# Altium PCB S3220A.PcbDoc (part 1 of 3)
Units mm, origin at the board's own origin, x right, y up, seen from the top; angles counter-clockwise.
Board outline 117 x 100 mm, 4 copper layers (Top Layer, Internal 1, Internal 2, Bottom Layer), stack 1.41 mm thick; 238 components, 187 nets, 991 pads, 1814 vias.
Unrouted connection lines stored in the file: 236.
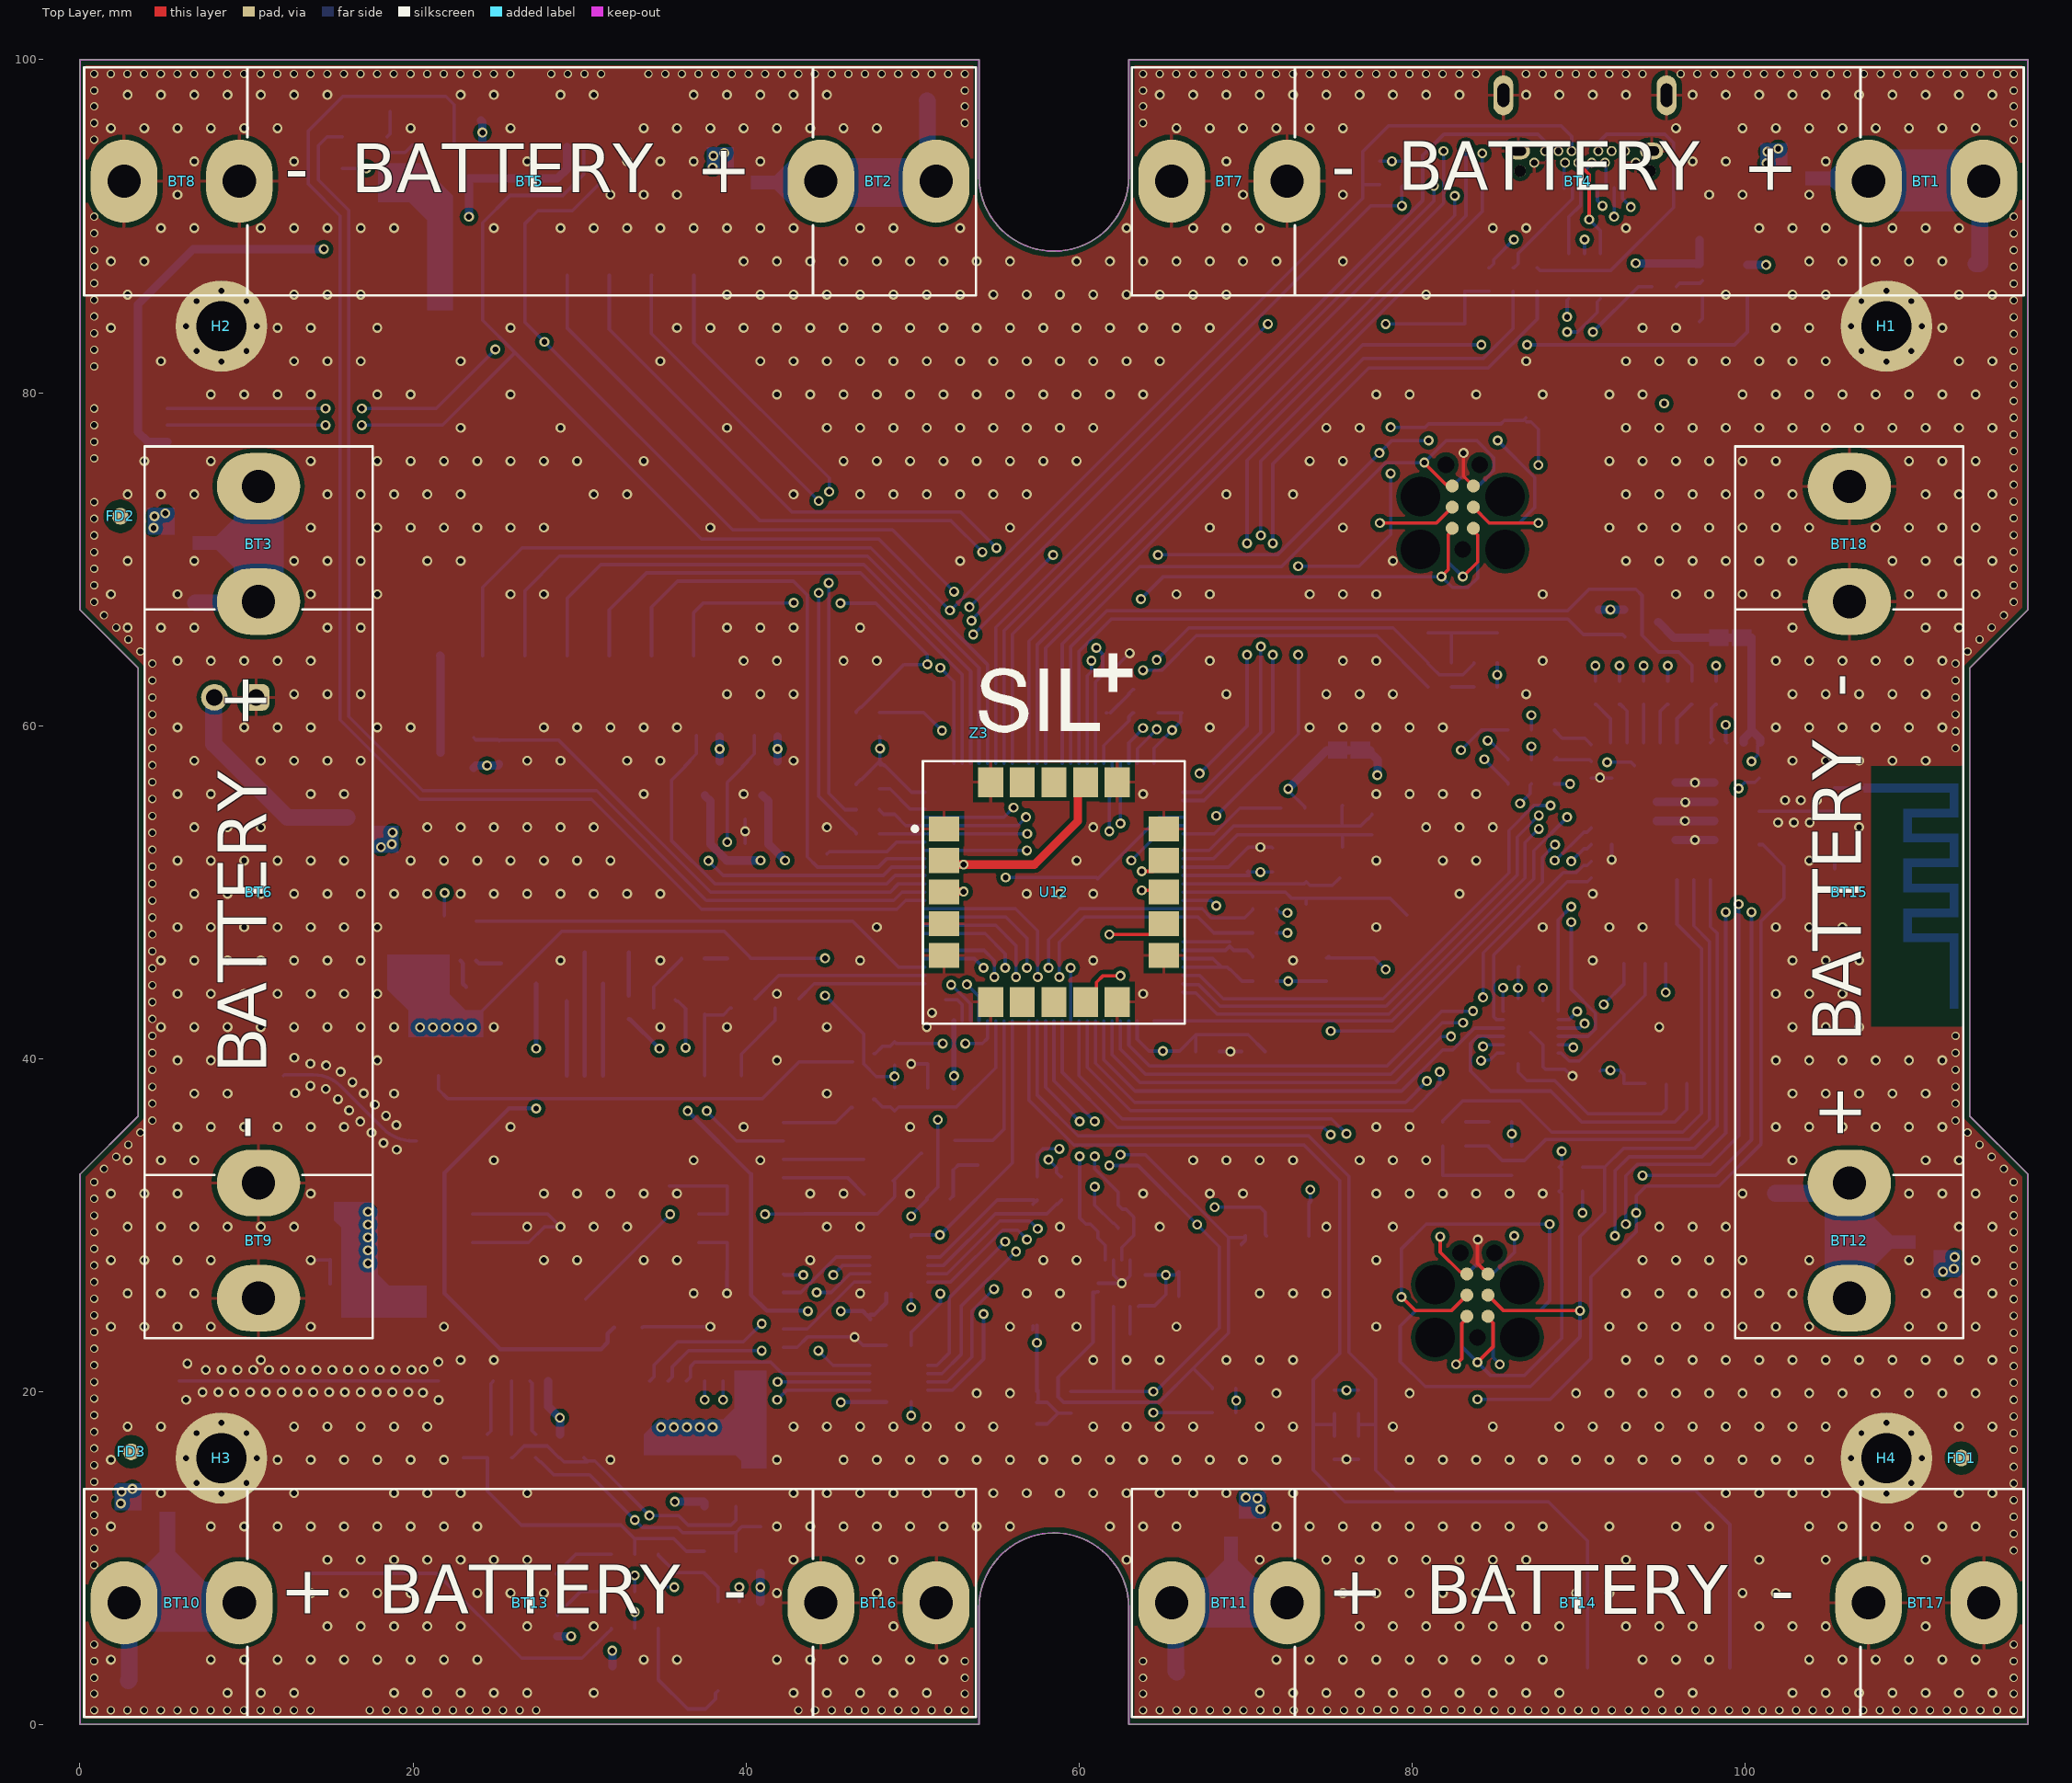
[diagram p0: Top Layer view]
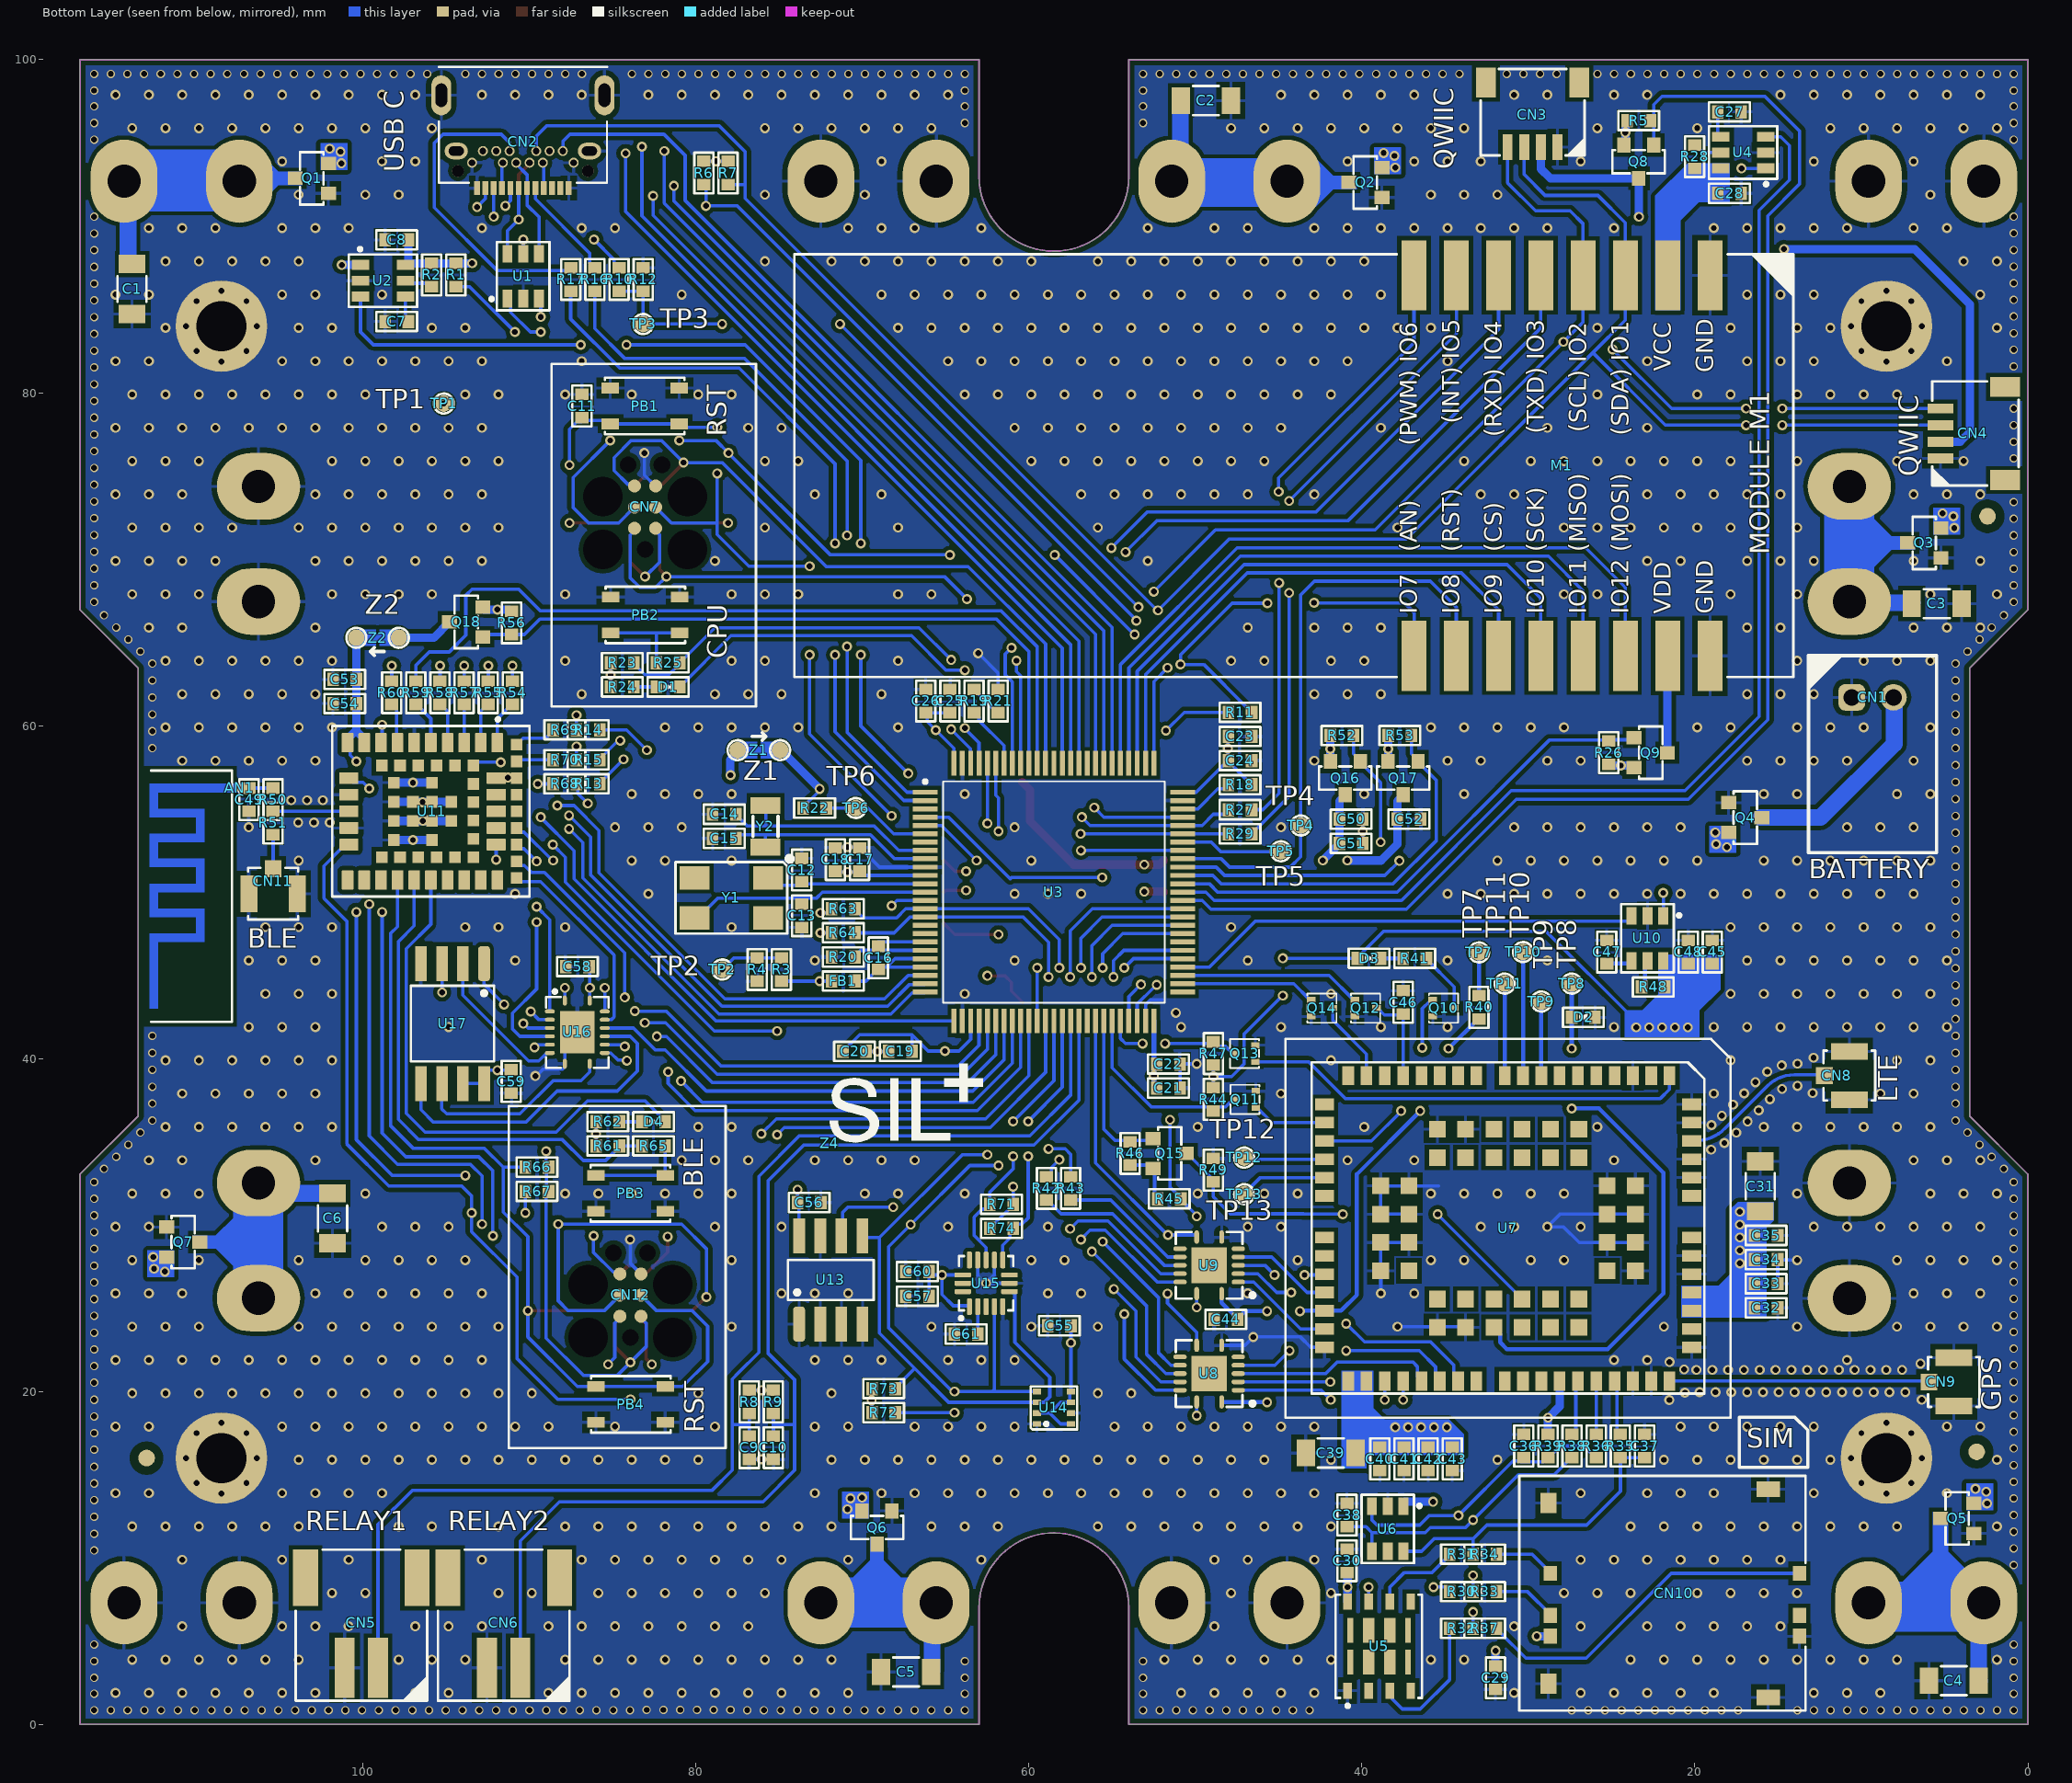
[diagram p1: Bottom Layer view, seen from below]
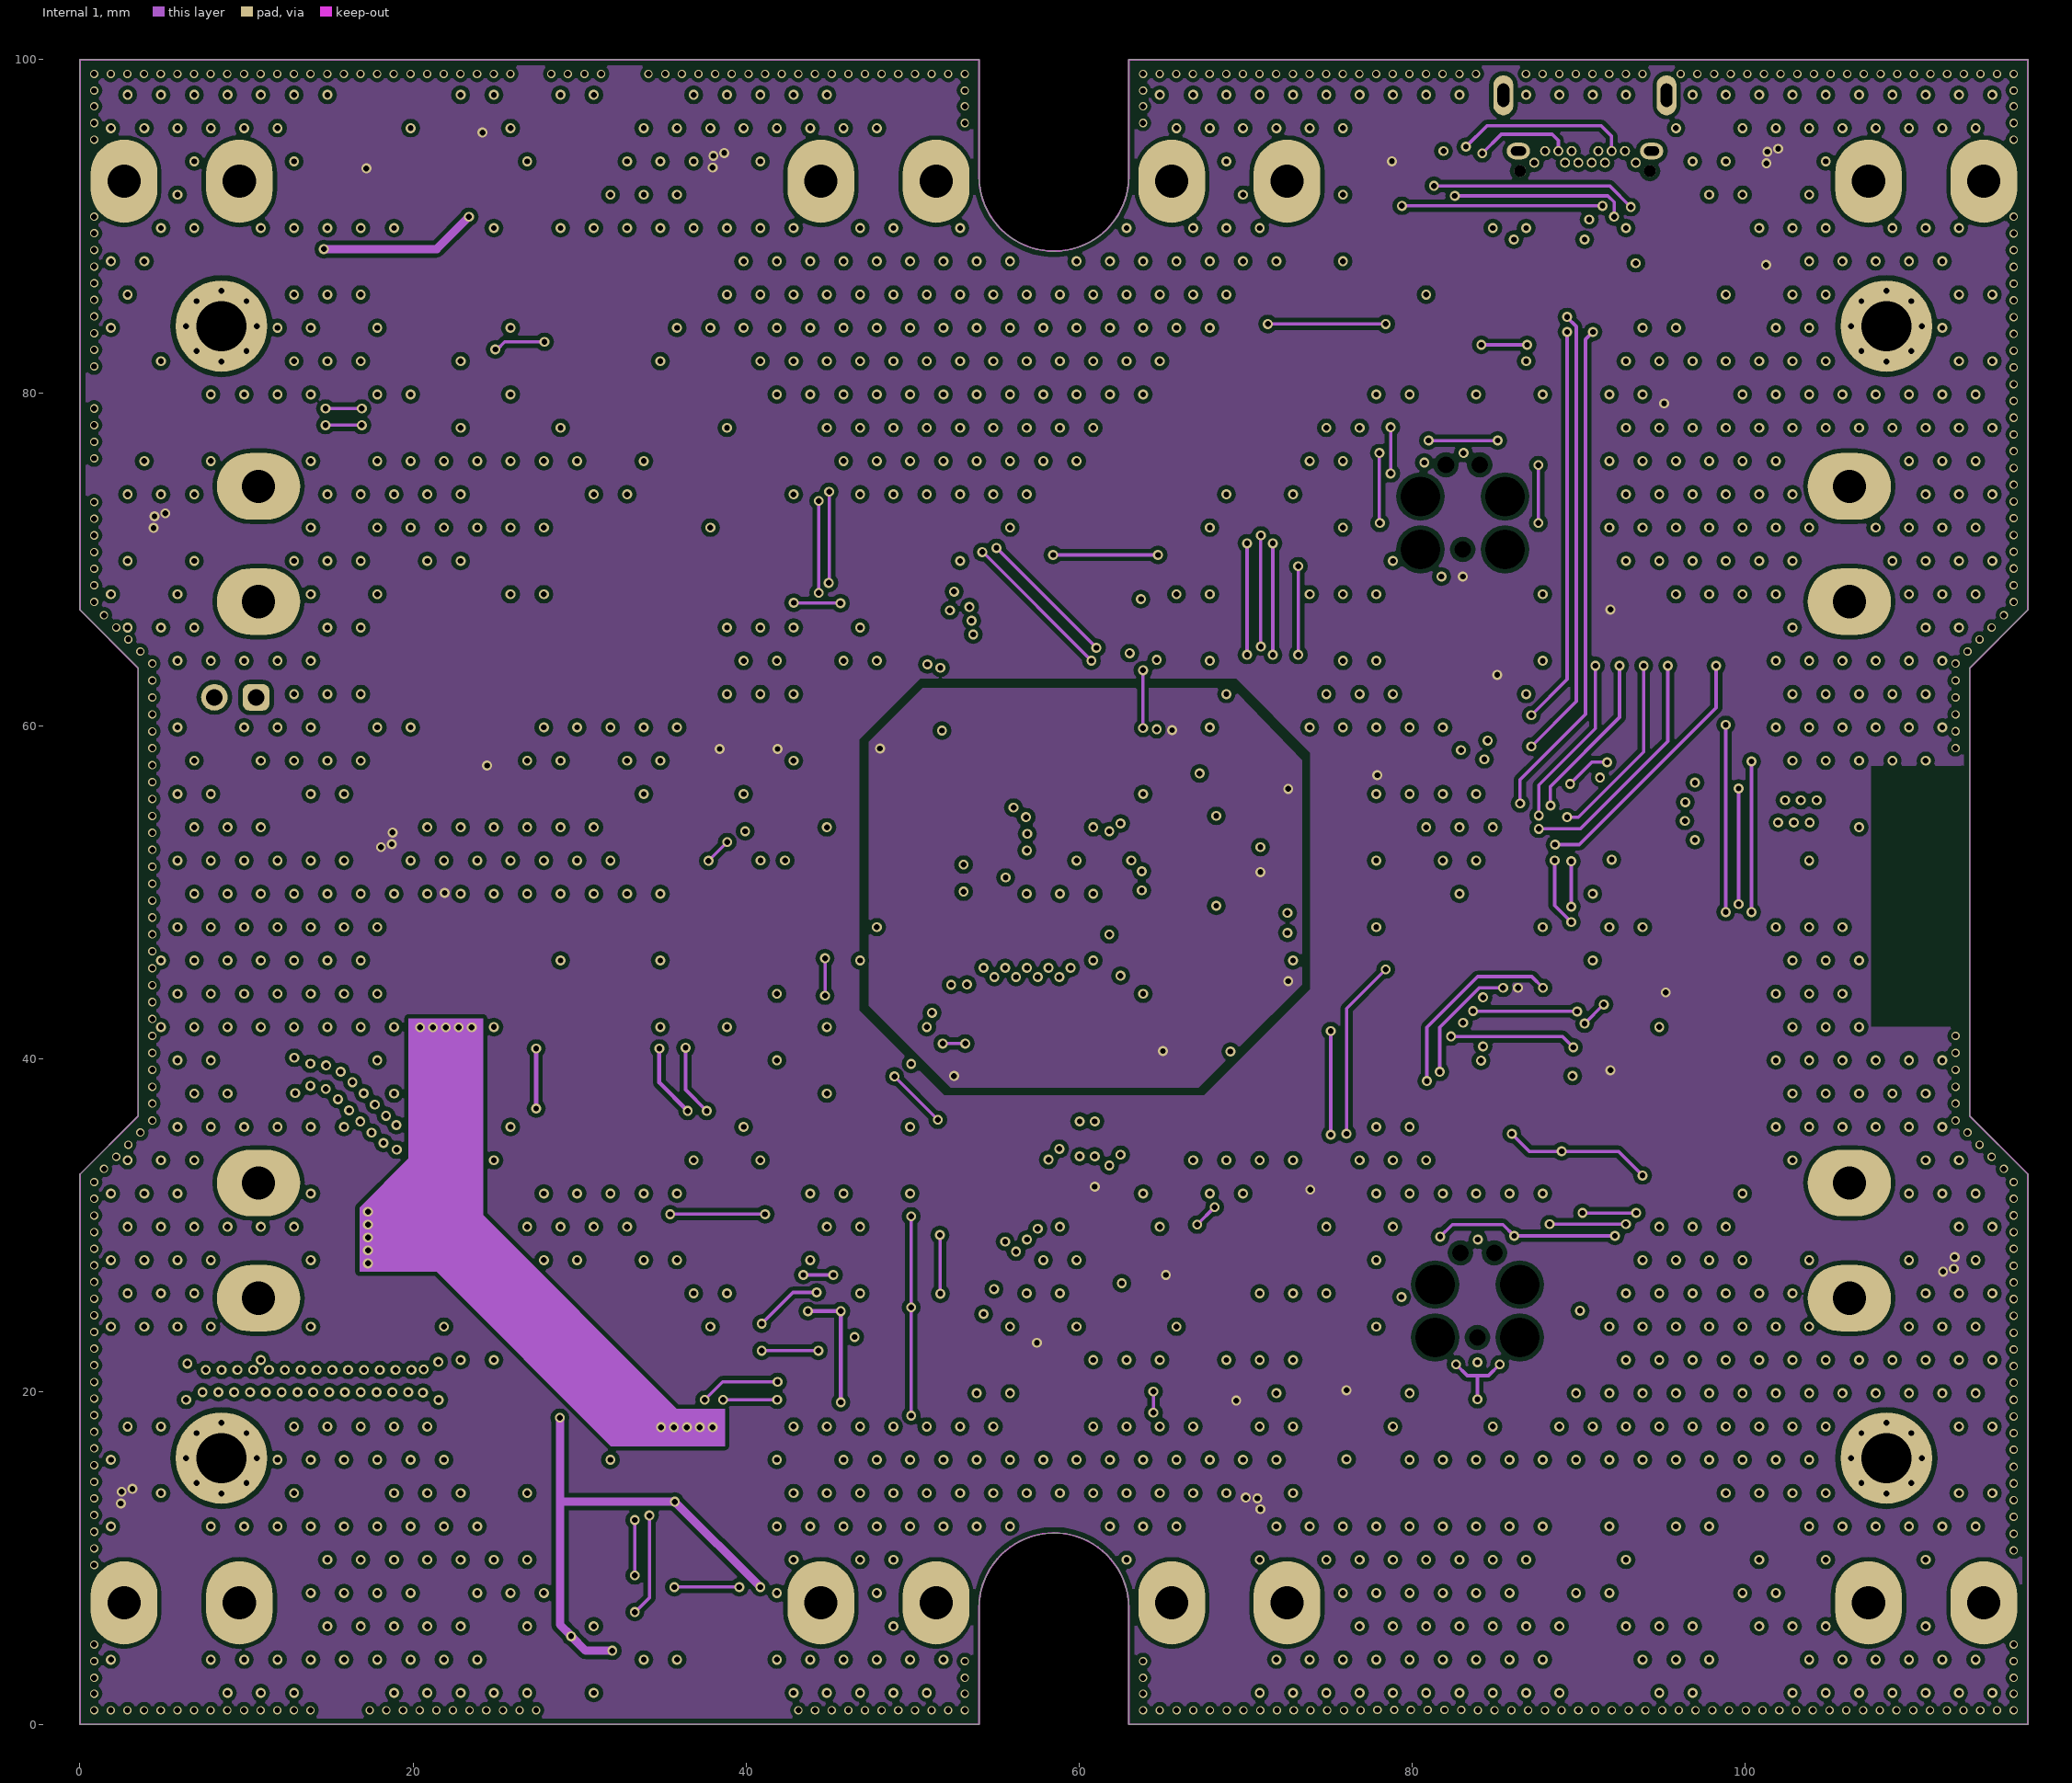
[diagram p2: Internal 1]